# Altium PCB USB调压器.PcbDoc
Units mil, origin at the board's own origin, x right, y up, seen from the top; angles counter-clockwise.
Board outline 2660.94 x 940.03 mil, 2 copper layers (Top Layer, Bottom Layer); 71 components, 56 nets, 223 pads, 172 vias.
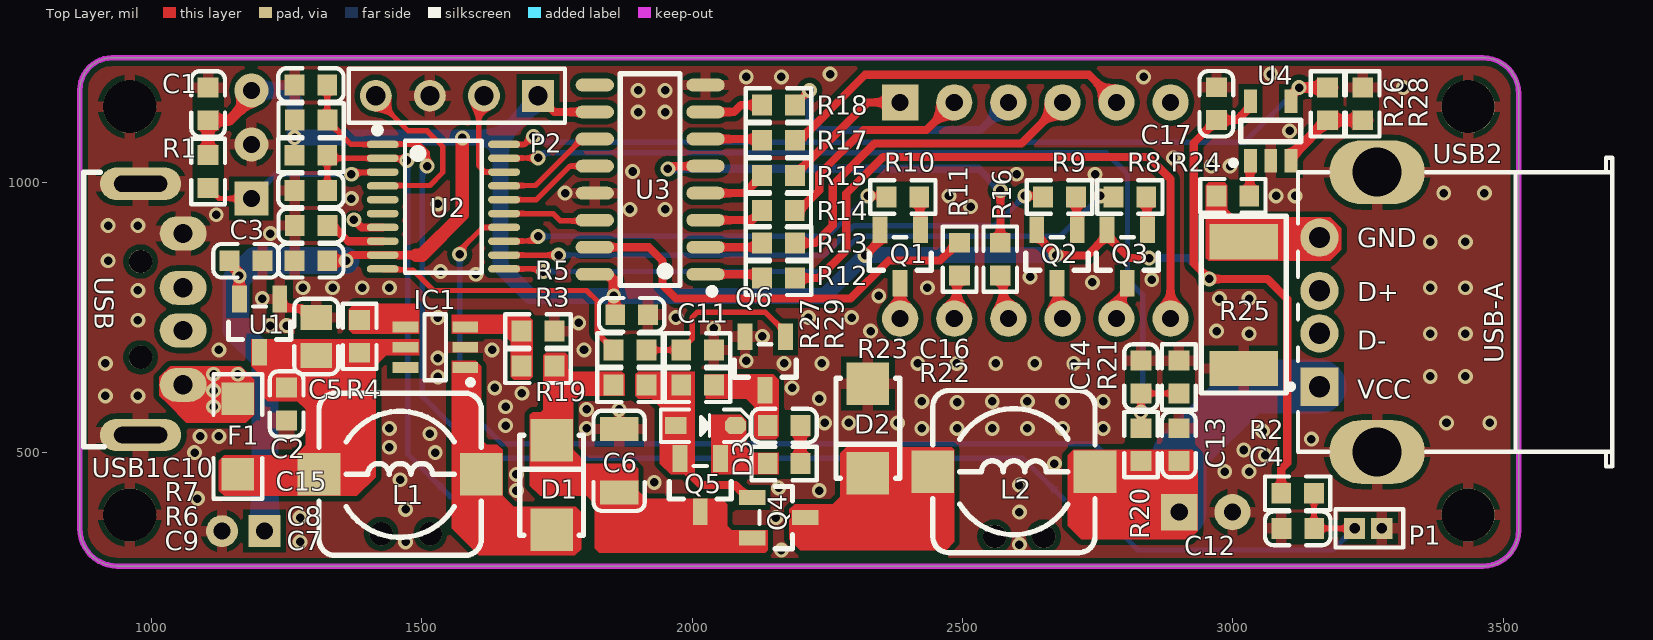
[diagram p0: Top Layer view]
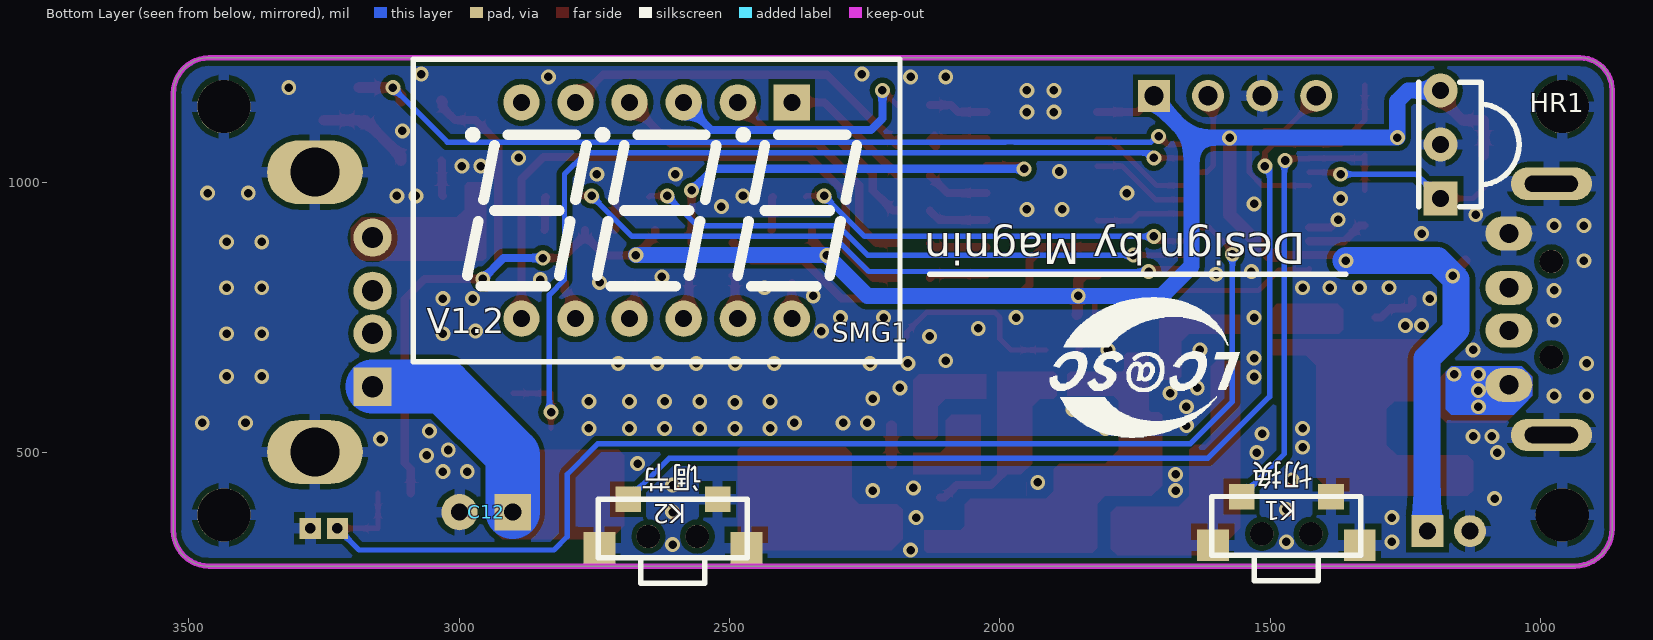
[diagram p1: Bottom Layer view, seen from below]
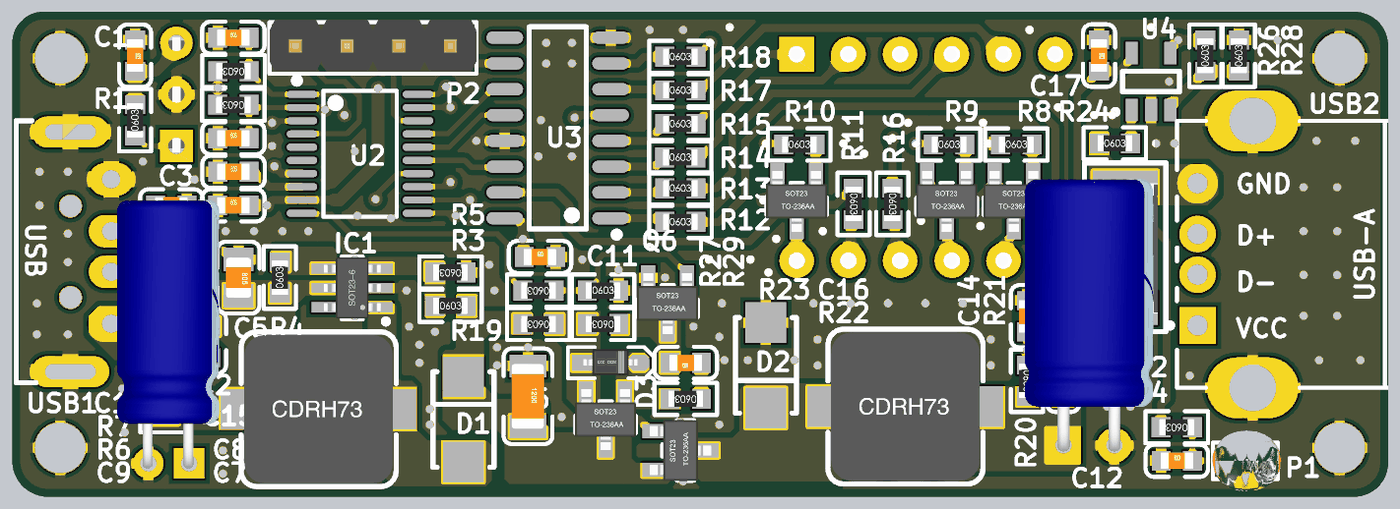
[diagram p2: 3D render of the assembled board from above, using the file's embedded part models]
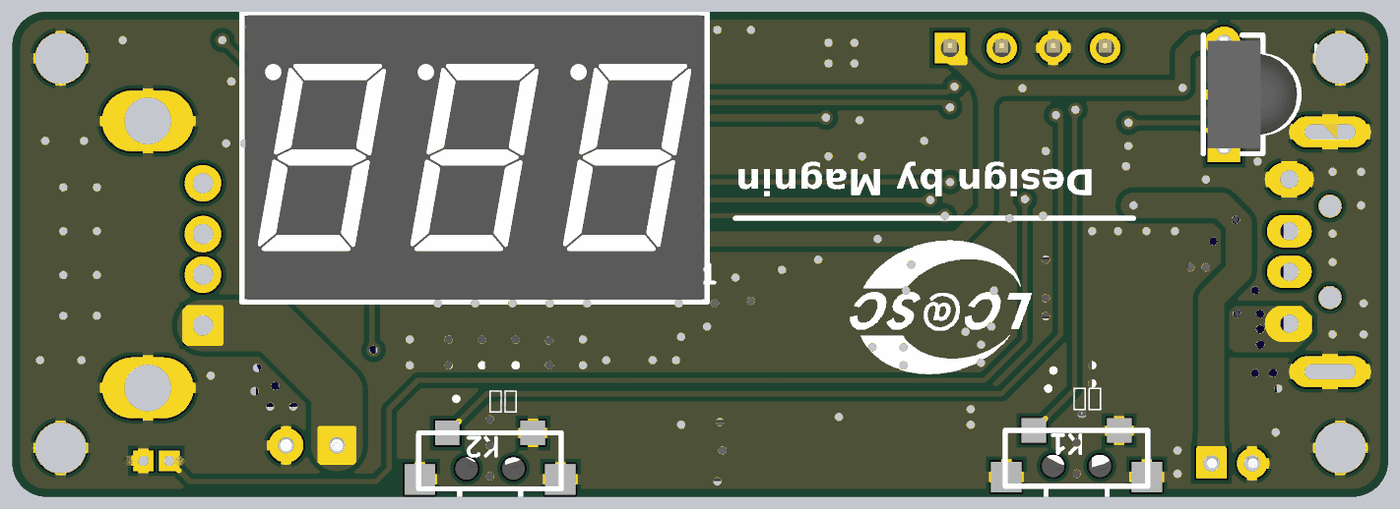
[diagram p3: 3D render of the assembled board from below, using the file's embedded part models]

## Layer stack, top to bottom
Top Solder: solder mask 0.4, Solder Resist, Dk 3.5
Top Layer: signal copper 1.4
Dielectric 1: dielectric 12.6, FR-4, Dk 4.8
Bottom Layer: signal copper 1.4
Bottom Solder: solder mask 0.4, Solder Resist, Dk 3.5

## Board outline
867.61,359.75 867.61,1170.25 cw(c927.63,1170.25) 927.63,1230.27 3462.4,1230.27 cw(c3462.4,1164.12) 3528.55,1164.12 3528.55,356.38 cw(c3462.4,356.38) 3462.4,290.24 937.12,290.24 cw(c937.12,359.75)

## Design rules (kind name [scope] priority, off if disabled: settings)
Clearance Clearance_1 [(InComponent('K1') or InComponent('K2')   )  and IsPad] p1: gap=10 ignorepadtopadclearanceinfootprint=FALSE except(0: Arc-SMDPad Track-SMDPad)
Clearance [All] p2: gap=10 ignorepadtopadclearanceinfootprint=FALSE except(0: Arc-Hole Track-Hole SMDPad-Hole THPad-Hole Via-Hole Fill-Hole Poly-Hole Region-Hole Text-Hole)
ComponentClearance [All] p1: gap=0 collisioncheckmode=3 verticalgap=0 showdistances=FALSE
PolygonConnect PolygonConnect_2 [(InComponent('USB1') or InComponent('R27')) and InNet('GND') or InComponent('C2')] p1: connectstyle=Relief reliefconductorwidth=30 reliefentries=4 polygonreliefangle="90 Angle" airgapwidth=10
PolygonConnect PolygonConnect_1 [IsVia] p2: connectstyle=Direct reliefconductorwidth=10 reliefentries=4 polygonreliefangle="90 Angle" airgapwidth=10
PolygonConnect [All] p3: connectstyle=Relief reliefconductorwidth=20 reliefentries=4 polygonreliefangle="90 Angle" airgapwidth=10
RoomDefinition INFRARED [InComponentClass('INFRARED')] p1: confinementstyle=ConfineIn formatcopy=TRUE lockcomponents=FALSE outline 1410,1480 945,1480 945,915 1410,915
RoomDefinition 电源模块 [InComponentClass('电源模块')] p2: confinementstyle=ConfineIn formatcopy=TRUE lockcomponents=FALSE outline 135,300 3820,300 3820,1245 135,1245
RoomDefinition 显示模块 [InComponentClass('显示模块')] p3: confinementstyle=ConfineIn formatcopy=TRUE lockcomponents=FALSE outline 1624.68,580 3225,580 3225,1280 1624.68,1280
RoomDefinition 按键模块 [InComponentClass('按键模块')] p4: confinementstyle=ConfineIn formatcopy=TRUE lockcomponents=FALSE outline 1160,1265 2840,1265 2840,230 1160,230
RoomDefinition 主控模块 [InComponentClass('主控模块')] p5: confinementstyle=ConfineIn formatcopy=TRUE lockcomponents=FALSE outline 1125,790 1125,1275 1775,1275 1775,790
RoomDefinition U_SX1308 [InComponentClass('U_SX1308')] p6: confinementstyle=ConfineIn formatcopy=TRUE lockcomponents=FALSE outline 1255,180 1945,180 1945,910 1255,910
RoomDefinition U_NTC [InComponentClass('U_NTC')] p7: confinementstyle=ConfineIn formatcopy=TRUE lockcomponents=FALSE outline 3015,230 3345,230 3345,485 3015,485
RoomDefinition U_ME6209 [InComponentClass('U_ME6209')] p8: confinementstyle=ConfineIn formatcopy=TRUE lockcomponents=FALSE outline 1295,890.52 1109.25,890.52 1109.25,485 1295,485
RoutingVias [All] p1: holewidth=15.75 width=27.56 viastyle="Through Hole" minholewidth=15.75 minwidth=27.56 maxholewidth=28 maxwidth=50
ShortCircuit ShortCircuit_1 [(InComponent('K1') or InComponent('K2')   )  and IsPad] p1: allowed=TRUE
ShortCircuit [All] p2: allowed=FALSE
SolderMaskExpansion [All] p1: expansion=4 istentingtop=FALSE
Width [All] p1: maxlimit=200 minlimit=10 preferedwidth=10
28 further rules are at their usual default settings.

## Classes and differential pairs
net class A[1..3]: A1 A2 A3
component class 电源模块: C12 C13 C14 C15 C16 C17 D2 D3 F1 L2 Q4 Q5 Q6 R19 R20 R21 R22 R23 R24 R25 R26 R27 R28 R29 U4 USB1 USB2
component class 显示模块: C11 Q1 Q2 Q3 R8 R9 R10 R11 R12 R13 R14 R15 R16 R17 R18 SMG1 U3
component class 按键模块: C9 C10 K1 K2 R6 R7
component class 主控模块: C7 C8 P2 U2
component class U_SX1308: C5 C6 D1 IC1 L1 R3 R4 R5
component class U_NTC: C4 P1 R2
component class U_ME6209: C2 C3 U1
component class INFRARED: C1 HR1 R1

## Components (designator, comment, footprint, x,y, rotation, side; value= is the part's Value field where it differs from the comment)
C1 "100nF" LC-0603_C 1105,1145 r270 top
C2 "1uF" LC-0603_C 1250,590 r90 top (schematic designator C1)
C3 "10uF" LC-0603_C 1175,855 r180 top (schematic designator C2)
C4 "100nF" LC-0603_C 3120,360 r0 top (schematic designator C1)
C5 "22uF" LC-0805_C 1305,714.96 r270 top (schematic designator C1)
C6 "10uF" LC-1206_C 1865,485 r270 top (schematic designator C2)
C7 "100nF" LC-0603_C 1295,855 r0 top (schematic designator C1)
C8 "1uF" LC-0603_C 1295.32,920 r0 top (schematic designator C2)
C9 "100nF" LC-0603_C 1295,985 r0 top (schematic designator C3)
C10 "100nF" LC-0603_C 1295,1180 r0 top (schematic designator C4)
C11 "100nF" LC-0603_C 1888.13,755 r0 top (schematic designator C5)
C12 "100uF/35V" "CAP 2.5*6.3*11.2-H" 2950,390 r0 bottom (schematic designator C6)
C13 "100nF" LC-0603_C 2900,515 r270 top (schematic designator C7)
C14 "20pF" LC-0603_C 2830,640 r270 top (schematic designator C8)
C15 "220uF/10V" "CAP 2.0*5*11-H" 1170,355 r180 top (schematic designator C9)
C16 "1uF" LC-0603_C 2170,550 r180 top (schematic designator C10)
C17 "100nF" LC-0603_C 2969.51,1145.32 r270 top (schematic designator C11)
D1 "SS34" LC-SMA(DO-214AC)_S1 1740,440 r270 top
D2 "SS34" LC-SMA(DO-214AC)_S1 2325,545 r90 top (schematic designator D1)
D3 "1N4007" SOD-323 2025,550 r0 top (schematic designator D2)
F1 "MF-NSMF020-2 0.2A 24V" 1206 1160,530 r270 top value=24V/1A
HR1 "VS1838B" VS1838B-A 1185,1070 r90 bottom
IC1 "SX1308" SOT23-6N 1525,695 r90 top
K1 "SW_P" KEY-TH_K2-1112SA-AXXW-XX 1470.3,373.9 r0 bottom
K2 "SW_P" KEY-TH_K2-1112SA-AXXW-XX 2604.7,368.9 r0 bottom
L1 "10uH" CDRH73 1460,460 r0 top locked
L2 "47uH" CDRH73 2595,465 r0 top (schematic designator L1)
P1 "Header 2" 1.27mm*2_via 3225.1,360.67 r0 top
P2 "Header 4P" 2.54mm_4P 1715,1160 r180 top (schematic designator P1)
Q1 "SS8550 Y2" LC-SOT-23(SOT-23-3) 2384.68,862.87 r90 top
Q2 "SS8550 Y2" LC-SOT-23(SOT-23-3) 2674.68,862.87 r90 top
Q3 "SS8550 Y2" LC-SOT-23(SOT-23-3) 2804.68,862.87 r90 top
Q4 "AO3407 P道沟 X13A15 SOT-23" LC-SOT-23(SOT-23-3) 2160,380 r180 top
Q5 "SS8050 Y1" LC-SOT-23(SOT-23-3) 2015,440 r90 top
Q6 "SS8050 Y1" LC-SOT-23(SOT-23-3) 2135,665 r90 top
R1 "100KΩ" LC-0603_R 1105,1020 r90 top
R2 "10KΩ" LC-0603_R 3119.69,425 r180 top (schematic designator R1)
R3 "270KΩ" LC-0603_R 1715,660 r0 top (schematic designator R1)
R4 "100KΩ" LC-0603_R 1385,715 r90 top (schematic designator R2)
R5 "10KΩ" LC-0603_R 1715,725 r180 top (schematic designator R3)
R6 "10KΩ" LC-0603_R 1295,1050 r180 top (schematic designator R1)
R7 "10KΩ" LC-0603_R 1295.32,1115 r180 top (schematic designator R2)
R8 "10KΩ" LC-0603_R 2809.37,972.87 r0 top (schematic designator R3)
R9 "10KΩ" LC-0603_R 2679.37,972.87 r0 top (schematic designator R4)
R10 "10KΩ" LC-0603_R 2389.68,972.87 r0 top (schematic designator R5)
R11 "1KΩ" LC-0603_R 2494.68,857.87 r270 top (schematic designator R6)
R12 "1KΩ" LC-0603_R 2159.68,822.87 r0 top (schematic designator R7)
R13 "1KΩ" LC-0603_R 2159.68,887.87 r0 top (schematic designator R8)
R14 "1KΩ" LC-0603_R 2159.37,947.87 r0 top (schematic designator R9)
R15 "1KΩ" LC-0603_R 2159.68,1012.87 r0 top (schematic designator R10)
R16 "1KΩ" LC-0603_R 2569.68,857.87 r270 top (schematic designator R11)
R17 "1KΩ" LC-0603_R 2159.68,1077.87 r0 top (schematic designator R12)
R18 "1KΩ" LC-0603_R 2159.68,1142.87 r0 top (schematic designator R13)
R19 "4.7KΩ" LC-0603_R 1885,625 r180 top (schematic designator R14)
R20 "100KΩ" LC-0603_R 2830,515 r270 top (schematic designator R15)
R21 "10KΩ" LC-0603_R 2900,640 r270 top (schematic designator R16)
R22 "10KΩ" LC-0603_R 2170,480 r180 top (schematic designator R17)
R23 "10KΩ" LC-0603_R 2010,625 r180 top (schematic designator R18)
R24 "1KΩ" LC-0603_R 3000,975 r0 top (schematic designator R19)
R25 "0.1Ω" "R 2512_L" 3020,771.89 r90 top (schematic designator R20)
R26 "100KΩ" LC-0603_R 3175,1145 r90 top (schematic designator R21)
R27 "10KΩ" LC-0603_R 1885,690 r180 top (schematic designator R22)
R28 "10KΩ" LC-0603_R 3240,1145 r90 top (schematic designator R23)
R29 "100KΩ" LC-0603_R 2010,690 r0 top (schematic designator R24)
SMG1 "3631B" "SMG 0.36-3P" 2634.68,947.87 r0 bottom
U1 "ME6209" "LC-SOT-23(SOT-23-3) - duplicate" 1200,735 r90 top
U2 "STM8S003F3P6" LC-TSSOP-20 1540,955 r270 top (schematic designator U1)
U3 "74HC595D" LC-SOIC-16_150mil 1922.36,1005 r90 top (schematic designator U2)
U4 "LMV321-TR" LC-SOT-23-5 3070,1095 r270 top (schematic designator U3)
USB1 "USB" USB_A/P_A 980,765 r270 top locked
USB2 "USB" USB-A/S_A 3160,760 r0 top locked

## Footprints (in the part's own frame and the unit in brackets; to place one, negate y for a bottom-side part, rotate by r counter-clockwise, add the part's x,y. Pads: shape width x height; smd on the part's side, far side on the other; paste and mask are expansions set on the pad)
1.27mm*2_via [mm]
  rect 1x1 hole 0.5: 1(-0.003,-0.017) 2(1.267,-0.017)
  silkscreen extent -0.9,-0.92 2.29,0.88, body extent -0.92,-1.53 2.46,1.47, height 11
2.54mm_4P [mm] "排针"
  rect 1.5x1.5 hole 0.9: 1(0,0)
  round 1.5 hole 0.9: 2(2.54,0) 3(5.08,0) 4(7.62,0)
  silkscreen extent -1.27,-1.27 8.89,1.27, body extent -1.27,-1.37 8.89,1.17, height 8.37
1206 [mil] "贴片元件"
  rect 60x60 smd: 1(-70,0) 2(70,0)
  silkscreen extent -115,-45 115,45, body extent -75,-35 75,35, height 39
"CAP 2.0*5*11-H" [mm] "脚距2mm直径5mm高度11mm"
  rect 1.5x1.5 hole 0.8: 1(-1,0)
  round 1.5 hole 0.8: 2(1,0)
  body extent -2.48,-12.96 2.53,0.25, height 5.02
"CAP 2.5*6.3*11.2-H" [mm] "脚距2.5mm直径6.3mm高度11.2mm"
  rect 1.7x1.7 hole 0.8: 1(-1.25,0)
  round 1.7 hole 0.8: 2(1.25,0)
  body extent -3.15,-13.11 3.16,0.3, height 2.49
CDRH73 [mm] "7.3*7.3*3.4mm（长宽高）"
  rect 2x2 smd: 1(-3.81,0) 2(3.81,0)
  silkscreen extent -3.81,-3.81 3.81,3.81, body extent -3.65,-3.65 3.65,3.65, height 3.65
KEY-TH_K2-1112SA-AXXW-XX [mil]
  rect 47.25x47.24 smd: 1(-82.67,-45)
  rect 47.24x47.24 smd: 2(82.68,-45)
  rect 59.06x59.06 smd: 3(135.83,45)
  rect 59.05x59.06 smd: 4(-135.82,45)
  round 43.31 hole 43.31 unplated: ""(-45.3,23.9) ""(45.3,23.9)
  silkscreen extent -138,-45 138,111
LC-0603_C [mm]
  rect 0.93x0.98 smd: 1(-0.77,0) 2(0.77,0)
  silkscreen extent -1.53,-0.79 1.54,0.79, body extent -0.8,-0.4 0.8,0.4, height 0.3
LC-0603_R [mm]
  rect 0.93x0.98 smd: 1(-0.77,0) 2(0.77,0)
  silkscreen extent -1.53,-0.79 1.54,0.79, body extent -0.85,-0.4 0.85,0.4, height 0.56
LC-0805_C [mm]
  rect 1.16x1.47 smd: 1(-0.89,0) 2(0.89,0)
  silkscreen extent -1.77,-1.04 1.77,1.04, body extent -1,-0.62 1,0.63, height 0.77
LC-1206_C [mm]
  rect 1.13x1.8 smd: 1(-1.49,0) 2(1.49,0)
  silkscreen extent -2.36,-1.2 2.35,1.2, body extent -1.6,-0.81 1.6,0.79, height 1
LC-SMA(DO-214AC)_S1 [mm]
  rect 2x2 smd: 1(2.1,0) 2(-2.1,0)
  silkscreen extent -2.35,-1.5 2.35,1.5
LC-SOIC-16_150mil [mm]
  oval 0.6x1.8 smd: 1(-4.445,-2.6) 2(-3.175,-2.6) 3(-1.905,-2.6) 4(-0.635,-2.6) 5(0.635,-2.6) 6(1.905,-2.6) 7(3.175,-2.6) 8(4.445,-2.6) 9(4.445,2.6) 10(3.175,2.6) 11(1.905,2.6) 12(0.635,2.6) 13(-0.635,2.6) 14(-1.905,2.6) 15(-3.175,2.6) 16(-4.445,2.6)
  silkscreen extent -5.4,-3.05 4.97,1.4
LC-SOT-23(SOT-23-3) [mm]
  rect 1.25x0.7 smd: 1(1.25,-0.95) 2(1.25,0.95) 3(-1.25,0)
  silkscreen extent -0.65,-1.46 0.9,1.46, body extent -1.5,-1.5 1.5,1.5, height 1.3
"LC-SOT-23(SOT-23-3) - duplicate" [mm]
  rect 1.25x0.7 smd: 1(1.25,-0.95) 2(1.25,0.95) 3(-1.25,0)
  silkscreen extent -0.65,-1.46 0.9,1.46, body extent -1.5,-1.5 1.5,1.5, height 1.3
LC-SOT-23-5 [mm]
  rect 1.1x0.6 smd: 1(1.4,-0.95) 2(1.4,0) 3(1.4,0.95) 4(-1.4,0.95) 5(-1.4,-0.95)
  silkscreen extent -0.5,-1.87 1.62,1.4
LC-TSSOP-20 [mm]
  oval 0.35x1.5 smd: 1(-2.925,-2.85) 2(-2.275,-2.85) 3(-1.625,-2.85) 4(-0.975,-2.85) 5(-0.325,-2.85) 6(0.325,-2.85) 7(0.975,-2.85) 8(1.625,-2.85) 9(2.275,-2.85) 10(2.925,-2.85) 11(2.925,2.85) 12(2.275,2.85) 13(1.625,2.85) 14(0.975,2.85) 15(0.325,2.85) 16(-0.325,2.85) 17(-0.975,2.85) 18(-1.625,2.85) 19(-2.275,2.85) 20(-2.925,2.85)
  silkscreen extent -3.75,-3.25 3.1,1.8
"R 2512_L" [mm] "1W贴片电阻"
  rect 1.65x3.2 smd: 1(-2.95,0) 2(3,0)
  silkscreen extent -4.1,-2 4.2,2, body extent -3.2,-1.6 3.2,1.6, height 0.55
"SMG 0.36-3P" [mm] "22.5*14*7.2mm(长宽厚)"
  rect 1.7x1.7 hole 0.8: 1(-6.35,-5.08)
  round 1.7 hole 0.8: 2(-3.81,-5.08) 3(-1.27,-5.08) 4(1.27,-5.08) 5(3.81,-5.08) 6(6.35,-5.08) 7(6.35,5.08) 8(3.81,5.08) 9(1.27,5.08) 10(-1.27,5.08) 11(-3.81,5.08) 12(-6.35,5.08)
  silkscreen extent -11.43,-7.11 11.43,7.11, body extent -11.25,-7 11.25,7, height 7.2
SOD-323 [mm] "1.8x1.3X0.9mm（长宽高，不包括引脚）"
  rect 1x0.8 smd: 1(-1.4,0)
  oct 1x0.8 smd: 2(1.4,0)
  silkscreen extent -2.11,-0.76 2.11,0.76, body extent -1.34,-0.63 1.31,0.67, height 1
SOT23-6N [mm] "3x1.6x1.1mm(长宽高)"
  rect 0.5x1.2 smd: 1(-0.95,-1.4) 2(0,-1.4) 3(0.95,-1.4) 4(0.95,1.4) 5(0,1.4) 6(-0.95,1.4)
  silkscreen extent -1.78,-1.78 1.55,0.51, body extent -1.5,-1.4 1.5,1.4, height 1.15
USB-A/S_A [mm] "A型直插母头， 淘宝ID:黄晶宝石   店铺网址:https://shop463601444.taobao.com"
  rect 1.8x1.8 hole 1: 1(0,-3.5)
  round 1.8 hole 1: 2(0,-1) 3(0,1) 4(0,3.5)
  oval 4.5x3 hole 2.3: 4(2.71,-6.57) 4(2.71,6.57)
  silkscreen extent -1.47,-7.25 13.75,7.25, body extent -0.6,-7.34 13.7,7.34, height 6.8
USB_A/P_A [mm] "A型USB 插头，20*13*4.5mm"
  round 1.1 hole 1.1: 0(-2.25,0) 0(2.25,0)
  oval 1.6x2.2 hole 0.9: 1(3.543,2) 2(0.987,2) 3(-1.013,2) 4(-3.569,2)
  oval 1.524x3.81 hole 0.762 slot 2.5 at 90 deg: 4(-5.9,0) 4(5.9,0)
  silkscreen extent -6.45,-2.67 6.45,-1.7, body extent -6.47,-17.9 6.47,2.1, height 3.25
VS1838B-A [mm] "一体红外接收头                 淘宝ID:黄晶宝石"
  rect 1.6x1.6 hole 0.8: 1(-2.54,0)
  round 1.6 hole 0.8: 2(0,0) 3(2.54,0)
  silkscreen extent -2.92,-3.69 2.92,1.02, body extent -2.84,-3.6 2.84,0.8, height 8.3

## Part data
C1 C4 C7 C9 C10 C11 C13 C17: library part "0603 100nF (104) 10% 50V", "贴片电容", Package=0603, SuppliersPartNumber=C14663, ComponentLink1Description=供应商链接, ComponentLink1URL=http://www.szlcsc.com/product/details_15331.html, Supplier=LC
C2 C8 C16: library part "0603 1uF (105) 10% 50V", "贴片电容", Package=0603, SuppliersPartNumber=C15849, ComponentLink1Description=供应商链接, ComponentLink1URL=http://www.szlcsc.com/product/details_16531.html, Supplier=LC
C3: library part "0603 10uF (106) 10% 10V", "贴片电容", Package=0603, SuppliersPartNumber=C19702, ComponentLink1Description=供应商链接, ComponentLink1URL=http://www.szlcsc.com/product/details_20411.html, Supplier=LC
C5: library part "0805 22uF (226) 20% 25V", "贴片电容", Package=0805, SuppliersPartNumber=C45783, ComponentLink1Description=供应商链接, ComponentLink1URL=http://www.szlcsc.com/product/details_46786.html, Supplier=LC
C6: library part "1206 10uF (106) 10% 50V", "贴片电容", Package=1206, SuppliersPartNumber=C13585, ComponentLink1Description=供应商链接, ComponentLink1URL=http://www.szlcsc.com/product/details_14236.html, Supplier=LC
C12 C15: library part CE, "直插电解电容", BOM名称=直插电解电容, 淘宝ID="封装库来自淘宝 ID：黄晶宝石", 联系售后=https://shop463601444.taobao.com
C14: library part "0603 20pF (200) 5% 50V", "贴片电容", Package=0603, SuppliersPartNumber=C1648, ComponentLink1Description=供应商链接, ComponentLink1URL=http://www.szlcsc.com/product/details_2000.html, Supplier=LC
D1 D2: library part "SMA(DO-214AC) SS54", "二极管", Package=SMA(DO-214AC), SuppliersPartNumber=C22452, ComponentLink1Description=供应商链接, ComponentLink1URL=http://www.szlcsc.com/product/details_23178.html, Supplier=LC
D3: library part 1N4148, "开关二极管", BOM名称=高速开关二极管, 欢迎光临=https://shop463601444.taobao.com, 淘宝ID="封装库来自淘宝 ID：黄晶宝石"
F1: "自恢复保险丝", LatestRevisionDate=17-Jul-2002, LatestRevisionNote="Re-released for DXP Platform.", PackageReference=AXIAL-0.4, Published=8-Jun-2000, Publisher="Altium Limited"
HR1: "红外接收头", BOM名称=红外接收头, 技术支持，联系售后=https://shop463601444.taobao.com, 版权归属="封装库来自淘宝 ID：黄晶宝石"
IC1: "可调升压芯片", BOM名称=可调升压芯片, 学习资源=www.ooocke.com, 版权归属="封装库来自淘宝 ID：黄晶宝石"
K1 K2: "轻触开关侧"
L1 L2: library part L-CDRH, "功率屏蔽电感", BOM名称=功率屏蔽电感, 版权归属="封装库来自淘宝 ID：黄晶宝石", 联系售后=https://shop463601444.taobao.com
P1: "接插件", LatestRevisionDate=17-Jul-2002, LatestRevisionNote="Re-released for DXP Platform.", Publisher="Altium Limited"
Q1 Q2 Q3: library part "SOT-23 SS8550 Y2", "三极管", Package=SOT-23, SuppliersPartNumber=C8542, ComponentLink1Description=供应商链接, ComponentLink1URL=http://www.szlcsc.com/product/details_9037.html, Supplier=LC
Q4: library part "AO3401A P道沟 X13A15 SOT-23", "MOS(场效应管)", Package=SOT-23, SuppliersPartNumber=C15127, ComponentLink1Description=供应商链接, ComponentLink1URL=http://www.szlcsc.com/product/details_15801.html, Supplier=LC
Q5 Q6: library part "SOT-23 SS8050 Y1", "三极管", Package=SOT-23, SuppliersPartNumber=C2150, ComponentLink1Description=供应商链接, ComponentLink1URL=http://www.szlcsc.com/product/details_2507.html, Supplier=LC
R1 R4 R20 R26 R29: library part "0603 100KΩ (1003) 1%", "贴片电阻", Package=0603, SuppliersPartNumber=C25803, ComponentLink1Description=供应商链接, ComponentLink1URL=http://www.szlcsc.com/product/details_26546.html, Supplier=LC
R2 R5 R6 R7 R8 R9 R10 R21 R22 R23 R27 R28: library part "0603 10KΩ (1002) 1%", "贴片电阻", Package=0603, SuppliersPartNumber=C25804, ComponentLink1Description=供应商链接, ComponentLink1URL=http://www.szlcsc.com/product/details_26547.html, Supplier=LC
R3: library part "0603 390KΩ (3903) 1%", "贴片电阻", Package=0603, SuppliersPartNumber=C23150, ComponentLink1Description=供应商链接, ComponentLink1URL=http://www.szlcsc.com/product/details_23877.html, Supplier=LC
R11 R12 R13 R14 R15 R16 R17 R18 R24: library part "0603 1KΩ (1001) 1%", "贴片电阻", Package=0603, SuppliersPartNumber=C21190, ComponentLink1Description=供应商链接, ComponentLink1URL=http://www.szlcsc.com/product/details_21904.html, Supplier=LC
R19: library part "0603 4.7KΩ (4701) 1%", "贴片电阻", Package=0603, SuppliersPartNumber=C23162, ComponentLink1Description=供应商链接, ComponentLink1URL=http://www.szlcsc.com/product/details_23889.html, Supplier=LC
R25: library part R, "贴片电阻", BOM名称=贴片电阻, 封装库来自淘宝卖家 ID：黄晶宝石=其他店铺购入均为盗版，不享受售后技术支持服务，请立即申请退款, 版权归属="来自淘宝 ID：黄晶宝石", 联系售后=https://shop463601444.taobao.com
SMG1: "0.36寸3位共阳数码管", BOM名称=0.36寸3位共阳, 学习资源=https://shop463601444.taobao.com, 版权归属="封装库来自淘宝 ID：黄晶宝石"
U1: "低压差线性稳压"
U2: "MCU", Package=TSSOP-20, SuppliersPartNumber=C18615, ComponentLink1Description=供应商链接, ComponentLink1URL=http://www.szlcsc.com/product/details_19317.html, Supplier=LC
U3: "74系列逻辑芯片", Package=SOIC-16_150mil, SuppliersPartNumber=C5947, ComponentLink1Description=供应商链接, ComponentLink1URL=http://www.szlcsc.com/product/details_6413.html, Supplier=LC
U4: library part LMV321IDBVRG4, "运放", Package=SOT-23-5, SuppliersPartNumber=C7972, ComponentLink1Description=供应商链接, ComponentLink1URL=http://www.szlcsc.com/product/details_8449.html, Supplier=LC
USB1: library part USB-A/P, "USB-A型公接口", BOM名称=USB-A型公接口, 学习资源=https://shop463601444.taobao.com, 版权归属="封装库来自淘宝卖家 ID：黄晶宝石"
USB2: library part USB-A/S, "USB-A型母接口", BOM名称=USB-A型母接口, 学习资源=https://shop463601444.taobao.com, 版权归属="封装库来自淘宝 ID：黄晶宝石"

## Free pads (board coordinates)
  round 98.43 hole 98.43: 2(960,385) 2(960,1140) 2(3435,385) 2(3435,1140)

## Via types
v1: diameter 27.56, hole 15.75, Top Layer to Bottom Layer, tented both sides, 172 vias

## Nets (pads, with @x,y where several pads share a name; then routed paths per layer and width w, separated by ;. In a path a pad name is that pad's centre, name@x,y a point inside that pad or via, vN(x,y) a via of type N, cw(c..) or ccw(c..) an arc to the next point about the centre after c; other vN are vias at no path point)
3.3V: C1.2 C3.2 C7.2 C11.1 C15.1 C17.2 HR1.3 P2.1 Q1.2 Q2.2 Q3.2 R1.2 R2.2 R6.2 R7.2 U1.2 U2.9 U3.10 U3.16 U4.5 | length 5484.1
  Top Layer w15: v1(1360,855) 1370.43,865.43 U2.9 1490,865.43 ; P2.1@1695,1170 1705,1160 P2.1 1745,1130 U3.10 ; v1(2320,865) 2347.28,892.28 Q1.2 ; Q2.2 2637.28,901.26 v1(2673.1,865.45) 2673.54,865 2731.02,865 Q3.2@2767.28,901.26 ; Q3.2 Q3.2@2767.28,901.26 ; v1(2845,860) 2808.54,860 Q3.2@2767.28,901.26 ; U4.5 3032.6,1140.28 3007.32,1115 C17.2 2969.75,1114.75 2927.5,1072.5 2927.5,850.06 v1(2956.28,821.28) 3063.72,821.28 3100.49,784.51 3100.49,481.12 3089.37,470 R2.2
  Top Layer w20: R1.2 C1.2 1144.68,1114.68 1180,1150 HR1.3@1180,1165 ; C3.2@1139.37,855 1165,829.37 v1(1162.5,826.87) 1162.5,794.11 U1.2@1165,791.61 ; HR1.3@1175,1170 HR1.3@1180,1165 ; HR1.3 HR1.3@1180,1165 ; C7.2 v1(1360,855) ; U3.16 1843.28,830 1855,818.28 v1(1855,790) 1856.41,788.59 1856.41,756.41 C11.1 ; U4.5@3030.79,1148.31 U4.5
  Top Layer w25: 1490,865.43 1500.43,865.43 1575,940 v1@1575,1080
  Bottom Layer w15: v1(2845,860) 2917.56,860 v1(2956.28,821.28)
  Bottom Layer w30: v1(1162.5,826.87) 1162.5,727.5 1210,680 C15.1@1210,355 ; HR1.3 1245,1170 1265,1150 v1(1265,1082.66) 1645.52,1082.66 ; P2.1 1715,1152.14 1645.52,1082.66 ; v1(2673.1,865.45) 2320.45,865.45 v1(2320,865) 2245,790 v1(1855,790) 1700.16,790 1645.52,844.64 1645.52,1082.66
  Bottom Layer w50: C15.1@1210,355 1210,673.98 1156.22,727.76 1156.22,820.59 v1(1162.5,826.87) 1190.63,855 v1(1360,855)
  other v1: 1575,1082
16.8V: C6.2 D1.2 Q4.2 Q5.3 R3.2 R19.2
A: R11.2 SMG1.11 | length 83.8
  Top Layer w15: SMG1.11 2489.68,752.87 2489.68,822.56 R11.2
A1: R10.1 U2.13 | length 742.8
  Top Layer w10: U2.13 1652.67,891.48 1706.48,891.48 v1(1715,900) ; v1(2325,975) 2357.24,975 R10.1
  Bottom Layer w10: v1(1715,900) 2250,900 v1(2325,975)
A2: R9.1 U2.12 | length 1043.1
  Top Layer w10: U2.12 v1(1752.96,865.43) ; v1(2615,975) 2646.93,975 R9.1
  Bottom Layer w10: v1(1752.96,865.43) 2244.72,865.43 2299.29,920 2560,920 v1(2615,975)
A3: R8.1 U2.11 | length 1182.4
  Top Layer w10: U2.11@1659.45,840 1720,840 v1(1725,835) ; v1(2755,975) 2778.82,975 2780,973.82 R8.1
  Bottom Layer w10: v1(1725,835) 2242.57,835 2307.57,900 2680,900 v1(2755,975)
AGND: R24.1 R25.2 USB2.4@3160,897.8
B: R12.2 SMG1.7 | length 1124.1
  Top Layer w15: R12.2 2233.64,822.87 2285,874.24 2285,979.24 2352.67,1046.91 2843.85,1046.91 2884.68,1006.08 SMG1.7
C: R13.2 SMG1.4 | length 656.2
  Top Layer w15: R13.2@2198.86,888.86 2190,888.86 R13.2 2227.87,887.87 2260,920 2260,995 2336.91,1071.91 2608.72,1071.91 SMG1.4
CURRENT: R26.2 U2.20 U4.4 | length 1616.8
  Top Layer w10: U2.20 1690.16,1070.16 1705,1085 v1(1706.25,1085)
  Top Layer w20: U4.4 3107.4,1159.96 3122.5,1175.06 v1(3122.5,1175.22) ; v1@3122.4,1175.12 v1(3122.5,1175.22) ; R26.2@3185,1175.32 3184.9,1175.22 v1(3122.5,1175.22)
  Bottom Layer w10: v1(1706.25,1085) 1710,1085 1720.59,1074.41 1972.53,1074.41 1972.77,1074.65 1989.41,1074.65 1989.64,1074.41 3021.69,1074.41 v1(3122.5,1175.22)
D: R14.2 SMG1.2 | length 396.4
  Top Layer w15: R14.2@2189.68,948.86 R14.2 2197.87,947.87 2235,985 2235,1015 2316.91,1096.91 2433.72,1096.91 SMG1.2
DOWN: C9.2 K1.2 R6.1 U2.2 | length 871.9
  Top Layer w10: C9.2 R6.1 1330.75,1044.57 U2.2 1428.52,1043.84 1468.94,1043.84 v1(1472.44,1040.34) v1@1472.44,1039.37
  Bottom Layer w10: v1(1472.44,1040.34) 1473.8,1038.98 1473.8,498.08 K1.2
DP: R18.2 SMG1.3 | length 487.8
  Top Layer w10: R18.2 v1(2217.13,1170)
  Bottom Layer w15: v1(2217.13,1170) 2217.13,1117.87 2238.09,1096.91 2533.72,1096.91 SMG1.3
E: R15.2 SMG1.1 | length 251.2
  Top Layer w15: R15.2 2190,1013.86 2324.02,1147.87 SMG1.1
F: R16.2 SMG1.10 | length 85.9
  Top Layer w15: R16.2 2574.75,822.5 2574.75,757.81 SMG1.10
G: R17.2 SMG1.5 | length 670.6
  Top Layer w15: R17.2@2190,1068.86 2319.98,1198.84 2733.72,1198.84 SMG1.5 ; R17.2 R17.2@2190,1078.86
GND: C1.1 C2.1 C3.1 C4.1 C5.1 C6.1 C7.1 C8.1 C9.1 C10.1 C11.2 C12.2 C13.1 C14.1 C15.2 C17.1 D2.1 HR1.2 IC1.2 K1.1 K1.3 K1.4 K2.1 K2.3 K2.4 P1.2 P2.3 pad.2 Q6.2 R5.1 R21.1 R25.1 R28.2 R29.2 U1.1 U2.7 U3.8 U3.13 U4.2 USB1.4 USB2.4@3266.69,501.34 USB2.4@3266.69,1018.66 | length 154.6
  Top Layer w15: U1.1 1237.4,773.39 1243.68,767.11 1277.89,767.11 1295,750 C5.1 ; v1(1374.49,930.77) 1388.64,916.61 U2.7
  Top Layer w20: P1.2 P1.2@3280.21,365.21
  other v1: 2165,320 2605,330 1275,335 1470,335 1275,380 2155,380 2605,390 1470,395 1085,415 1675,430 2235,430 2160,435 2605,440 1930,445 1460,450 1675,460 2985,465 3030,465 2670,480 3060,495 1080,500 1525,500 3020,505 1440,510 3145,525 1090,530 1125,530 1515,535 3055,540 1440,545 1805,545 2425,545 2490,545 2555,545 2620,545 2685,545 2760,545 1655,550 2245,555 2290,555 2380,555 3395,555 3475,555 1805,580 1865,580 1655,585 2490,593 2425,595 2555,595 2620,595 2685,595 2760,595 2235,600 915,605 975,605 1685,610 1635,620 2185,620 1530,640 3365,641 3430,641 915,665 2170,665 2240,665 2417.14,665 2489.29,665 2561.43,665 2633.57,665 2705.71,665 2100,670 1530,675 1125,690 1630,690 1800,690 2130,715 3030,720 3365,720 3430,720 2330,725 2970,725 2040,730 1220,735 1250,735 1790,740 975,745 1530,750 1970,750 2215,750 2295,750 1205,785 2975,785 3030,785 2345,790 975,800 1280,805 1335,805 1390,805 1440,805 2435,805 3365,805 3430,805 2740,815 2850,820 2625,825 1600,830 1535,835 920,855 3365,890 3430,890 1220,905 920,920 975,920 1120,940 1885,950 1950,950 2515,955 1530,960 1370,970 2475,975 3080,975 3115,975 1765,980 3390,980 3465,980 2600,1015 2745,1015 1890,1020 2960,1030 2995,1030 2890,1045 3105,1095 1900,1130 1950,1130 1900,1170 1950,1170 3315,1175 2100,1195 2165,1195 2835,1195 2255,1200 3070,1200
INFRARED: HR1.1 R1.1 U2.3 | length 351.2
  Top Layer w10: R1.1 1124.69,970 HR1.1 ; v1(1370,1015) 1373.27,1018.27 1427.09,1018.27 U2.3
  Bottom Layer w10: HR1.1 1230,1015 v1(1370,1015)
NetC16_1: C16.1 R22.1 | length 70
  Top Layer w20: R22.1 C16.1
NetC16_2: C16.2 Q6.3 R23.1
NetD1_1: D1.1 IC1.1 L1.2
NetD2_2: D2.2 L2.1 Q4.3
NetD3_1: D3.1 Q4.1 Q5.2 R19.1 R23.2 | length 162.2
  Top Layer w15: Q5.2@1982.6,484.21 1982.6,473.39 2015.98,440 2080,440 2102.6,417.4 Q4.1
NetD3_2: D3.2 Q5.1 R22.2
NetF1_1: F1.1 USB1.1 | length 0.4
  Top Layer w50: USB1.1 USB1.1@1059,625.26
  other v1: 1115,585 1115,615 1115,645 1160,645
NetIC1_3: IC1.3 R3.1 R5.2
NetIC1_4: IC1.4 R4.2
NetQ1_1: Q1.1 R10.2 | length 61.7
  Top Layer w15: R10.2 2421.04,971.83 2421.04,913.13 Q1.1
NetQ1_3: Q1.3 SMG1.12 | length 65.8
  Top Layer w15: SMG1.12 Q1.3
NetQ2_1: Q2.1 R9.2 | length 61.8
  Top Layer w15: R9.2 2710.89,971.67 2710.89,913.29 Q2.1
NetQ2_3: Q2.3 SMG1.9 | length 69.9
  Top Layer w10: Q2.3 2674.68,757.87 SMG1.9
NetQ3_1: Q3.1 R8.2 | length 61.8
  Top Layer w15: R8.2 2840.89,971.67 2840.89,913.29 Q3.1
NetQ3_3: Q3.3 SMG1.8 | length 74.1
  Top Layer w15: SMG1.8 2784.68,779.68 2804.68,799.68 Q3.3
NetQ6_1: Q6.1 R27.1 R29.1 | length 333.2
  Top Layer w10: R27.1 R29.1 2000,710.31 2000,750 2010,760 2135,760 2172.4,722.6 Q6.1
NetR11_1: R11.1 U3.15 | length 784.6
  Top Layer w15: U3.15 1920,880 1945,855 1945,810 1970,785 2292.89,785 2363.66,855.77 2458.64,855.77 2492.87,890 R11.1
NetR12_1: R12.1 U3.1 | length 108.6
  Top Layer w15: U3.1 2122.24,830 R12.1 R12.1@2129.37,823.86
NetR13_1: R13.1 U3.2 | length 108.5
  Top Layer w15: U3.2 2122.48,880 2129.37,886.89 R13.1
NetR14_1: R14.1 U3.3 | length 112.3
  Top Layer w15: U3.3 2112.16,930 2129.05,946.89 R14.1
NetR15_1: R15.1 U3.4 | length 119.2
  Top Layer w15: U3.4 2096.5,980 R15.1 R15.1@2129.37,1011.89
NetR16_1: R16.1 U3.5 | length 800.3
  Top Layer w15: v1(1955,1025) 1960,1030 U3.5 ; R16.1 2570,888.5 v1(2570,985)
  Bottom Layer w15: v1(1955,1025) 2530,1025 v1(2570,985)
NetR17_1: R17.1 U3.6 | length 135.8
  Top Layer w15: U3.6 2118.56,1080 2118.56,1066.08 2129.37,1076.89 R17.1 R17.1@2121.02,1086.22
NetR18_1: R18.1 U3.7 | length 110
  Top Layer w15: U3.7 2077.13,1130 2090,1142.87 R18.1
NetR24_2: R24.2 U4.1 | length 66
  Top Layer w15: R24.2 3031.46,976.14 3031.46,1038.74 U4.1 U4.1@3032.48,1040
NetR26_1: R26.1 R28.1 U4.3 | length 176.4
  Top Layer w20: U4.3 3107.4,1049.72 3109.21,1051.54 3110.87,1051.54 3174.02,1114.69 R26.1 ; R26.1@3180,1109.69 3185,1114.69 R28.1 R28.1@3250,1114.69
NRST: P2.4 U2.4 | length 354
  Top Layer w10: P2.4@1395,1170 1405,1170 P2.4 ; P2.4@1415,1155 1475,1095 1510,1095 1538.78,1066.22 1538.78,1018.08 1514.81,994.11 1428.52,994.11 U2.4
NTC: C4.2 P1.1 R2.1 U2.14 | length 2372
  Top Layer w10: v1(1570,866.93) 1570,873.86 1612.75,916.61 U2.14 ; R2.1 3150,360.32 C4.2 P1.1
  Bottom Layer w10: v1(1570,866.93) 1570,594.3 1648.08,516.22 2743.78,516.22 2800,460 2800,344.7 2824.7,320 3185,320 P1.1
PWM: R27.2 U2.10 | length 524.3
  Top Layer w10: U2.10 1429.7,837.93 1483.7,837.93 1521.63,800 1805,800 1824.51,780.49 1824.51,721.16 1854.68,690.98 R27.2
RCLK: U2.16 U3.12 | length 193.6
  Top Layer w10: U2.16 1712.09,967.8 1774.3,1030 U3.12
SER: U2.15 U3.14 | length 174
  Top Layer w10: U2.15 1742.8,942.2 1756.4,928.6 1818.6,928.6 U3.14
SRCLK: U2.17 U3.11 | length 203.7
  Top Layer w10: U2.17 1652.93,994.11 1710.12,994.11 1796.02,1080 U3.11
SWIM: P2.2 U2.18 | length 185.3
  Top Layer w10: P2.2 1605,1150 1605,1031.02 1617.05,1018.98 U2.18
UP: C10.2 K2.2 R7.1 U2.1 | length 1995
  Top Layer w10: C10.2 1325.32,1114.33 1369.49,1070.16 U2.1 1428.34,1070.7 1494.3,1070.7 1510,1055 v1(1510,1030)
  Bottom Layer w10: v1(1510,1030) 1501.22,1021.22 1501.22,603.78 1615,490 2611.28,490 K2.2
VBUS: C2.2 C5.2 F1.2 IC1.5 L1.1 R4.1 U1.3
VCAP: C8.2 U2.8 | length 114.2
  Top Layer w15: C8.2 1335,920 1363.98,891.02 U2.8
VOLATAGE: C14.2 R20.1 R21.2 U2.19 | length 1761.3
  Top Layer w10: U2.19 1652.93,1043.84 1654.08,1045 v1(1715,1045) ; R20.1 v1(2830,575) C14.2 R21.2
  Bottom Layer w10: v1(1715,1045) 1724.41,1054.41 1980.82,1054.41 1981.05,1054.65 1981.12,1054.65 1981.36,1054.41 2765.59,1054.41 2805,1015 2805,820 2833.15,791.85 2833.15,578.15 v1(2830,575)
VOUT: C12.1 C13.2 L2.2 R20.2 USB2.1 | length 417.4
  Bottom Layer w100: C12.1 2900.79,495.79 3027.2,622.2 USB2.1
pads on no net: IC1.6 K1. K2. SMG1.6 U2.5 U2.6 U3.9 USB1.0 USB1.2 USB1.3 USB2.2 USB2.3

## Polygon pours and split planes (outlines as drawn)
GND on Top Layer "Top Layer-GND" (solid, pour order 0): 927.63,1230.27 3462.63,1230.27 cw(c3462.63,1165.27) 3527.63,1165.27 3527.63,365.27 cw(c3462.63,365.27) 3462.63,300.27 937.63,300.27 cw(c937.63,365.27) 872.63,365.27 872.63,1175.27 cw(c927.63,1175.27)
GND on Bottom Layer "Bottom Layer-GND" (solid, pour order 2): 925,1225 3460,1225 cw(c3460,1160) 3525,1160 3525,360 cw(c3460,360) 3460,295 935,295 cw(c935,360) 870,360 870,1170 cw(c925,1170)

## Keep-outs
Keep-Out Layer:
  the board outline again, w10

## Other copper
Top Layer:
  region net 16.8V: 1736.46,591.46 1720,575 1705,575 1700,570 1700,438.65 1718.66,420 1755.6,420
  region net NetF1_1: 1034.87,660.13 1164.87,660.13 1190,635 1190,570.26 1174.87,555.13 1064.87,555.13 1029.87,590.13 1014.87,605.13 1014.87,640.13
  region net VBUS: 1185,660 1205,640 1205,605 1215,595 1270,595 1285,580 1285,515 1265,495 1135,495 1125,485 1125,430 1135,420 1380,420 1415,455 1415,660.58 1434.42,680 1495,680 1495,710 1185,710
  region net AGND: 2950,995 2950,860 2955,855 3180,855 3200,875 3200,915 3180,935 3005,935 2990,950 2990,995 2985,1000 2955,1000
  region net VOUT: 2695,470 2695,495 2705,505 2735,505 2925,505 2935,495 2935,355 2920,340 2720,340 2695,365
  region net NetD2_2: 2180,340 2200,320 2470,320 2485,335 2485,505 2480,510 2285,510 2273.82,498.82 2273.82,418.82 2260,405 2190,405 2180,395
  region net NetC16_2: 2160,635 2150,645 2025,645 2025,600 2100,600 2115,585 2115,530 2120,525 2155,525 2160,530
  region net NetD3_2: 2035,460 2090,460 2160,460 2160,500 2110,500 2100,510 2100,560 2090,570 2035,570
  region net NetD3_1: 1950,445 1950,420
  region net 16.8V: 1725,432.86 1737.86,420 1805,420 1820,405 1820,323.46 1828.46,315 2135.2,315 2140,319.8 2140,356.37 2073.64,356.37 2065,365.01 2065,405 2055,415 1915,415 1900,430 1900,470 1890,480 1805,480 1780,505 1780,595 1790,605 1875,605 1875,645 1870,650 1775,650 1770,655 1770,680.17 1765.17,685 1730,685 1725,680
  region net NetD3_1: 1900,600 1925,600 1940,585 1940,480 1960,460 2005,460 2005,650 1900,650 1895,645 1895,605
  region net VOUT: 3155,590
  region net NetIC1_4: 1372.5,720 1495,720 1495,767.5 1487.5,775 1375,775 1365,765 1365,727.5
  region net NetD1_1: 1555,670 1555,360 1605,310 1783.32,310 1795,321.68 1795,390 1785,400 1670,400 1650,420 1650,505 1640,515 1620,515 1610,525 1610,660 1600,670
  region net NetIC1_3: 1555,720 1650,720 1665,705 1665,640 1670,635 1700,635 1705,640 1705,745 1695,755 1555,755
  region: 1140,520
Bottom Layer:
  region net NetF1_1: 1035,660 1165,660 1175,650 1175,580 1165,570 1050,570 1030,590 1015,605 1015,640

## Silkscreen, mask and mechanical layers (free items; w line width, h text height)
Bottom Overlay:
  drawing of 824 lines, arcs and shapes, not listed
  text "Design by Magnin" at 1435,925 h98.43 r180
  text "V1.2" at 3060,705 h78.74
  text "切换" at 1420.06,492.87 h70 r180
  text "调节" at 2550.06,487.68 h70 r180

## Text inside footprints (layer, text, board x,y; h text height)
USB2: Top Overlay "GND" at 3230,880 h35; Top Overlay "D+" at 3230,780 h35; Top Overlay "D-" at 3230,690 h35; Top Overlay "VCC" at 3230,600 h35; Top Overlay "USB-A" at 3500,665 h35 r90